# KiCad board rp2040-decoder.kicad_pcb (continued)
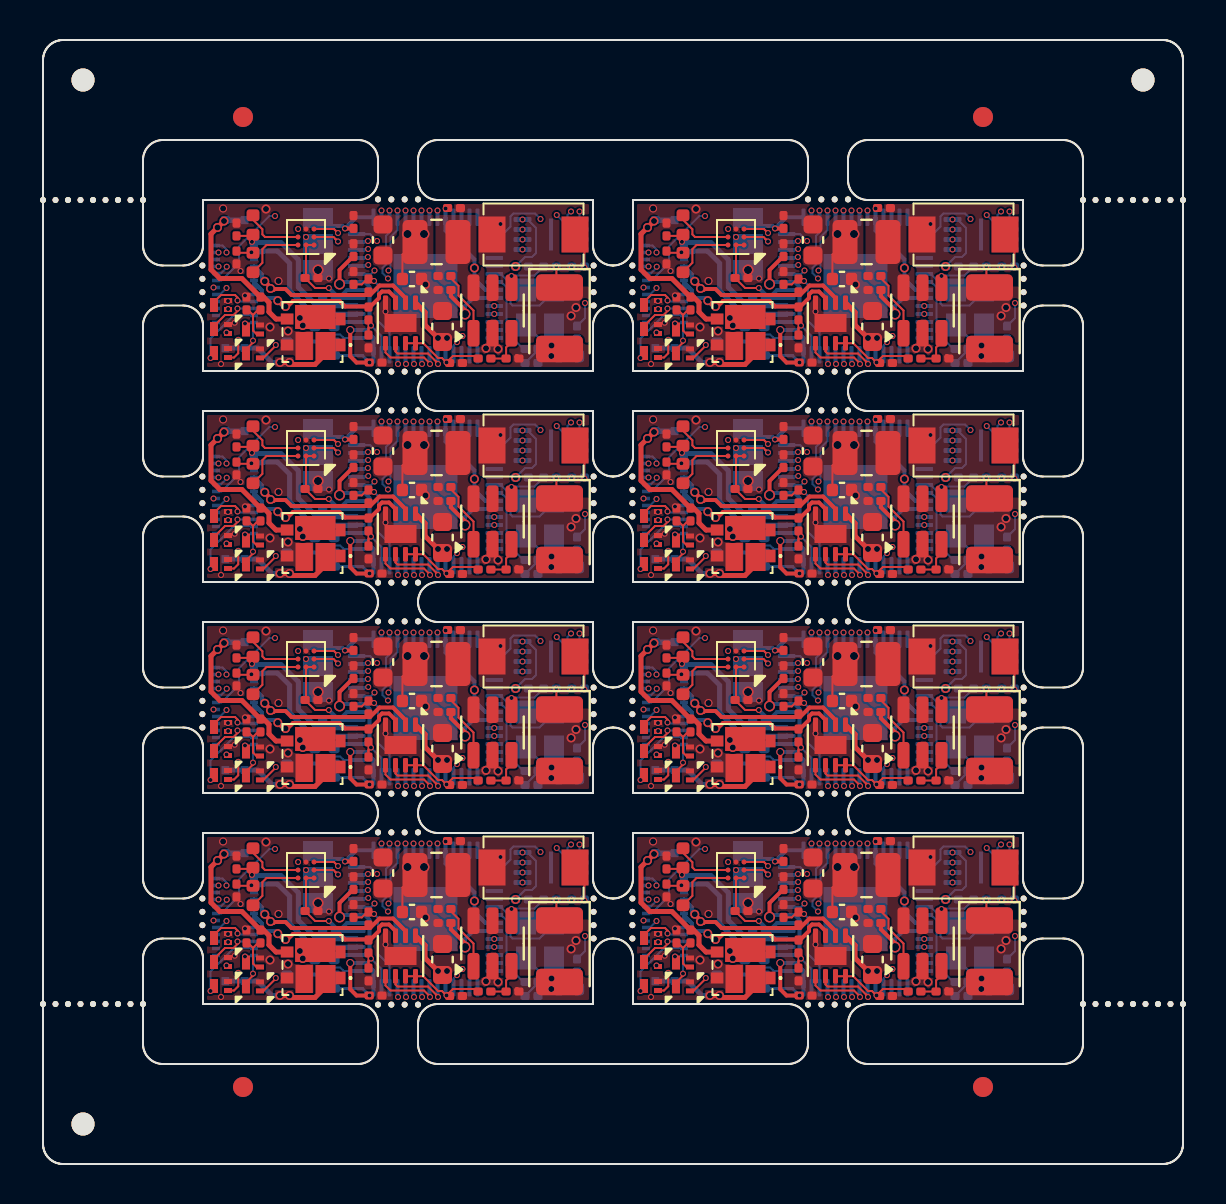
[diagram p0: board, top side]
## Nets (continued)
Board_3-GND: C1#3.2 C2#5.2 C3#6.2 C4#4.2 C5.2 C7#5.2 C8#4.2 C9#7.2 C10#5.2 C11#5.2 C12#6.2 C13#2.2 C14#3.2 C16#8.2 C17#4.2 C18#6.2 C19#4.2 C20#7.2 C21.2 C22#8.2 D1#4.4 D2#6.1 J4#3.3 J4#3.22 JP1#3.1 Q1#3.2 Q2#4.2 Q3#6.2 Q5#6.2 Q6#6.2 R2#3.1 R7#5.1 R12.1 R14#8.1 SW1#7.1 U1.4 U1.9 U2#2.2 U3#8.19 U3#8.57 U4#3.4 U4#3.9 U5#5.C2 Y1.2 Y1.4
Board_3-Net-(C3-Pad1): C3#6.1 R6#4.2 Y1.1
Board_3-Net-(D2-A): D2#6.2 R9#3.1
Board_3-Net-(JP1-C): JP1#3.2 U5#5.B2
Board_3-Net-(Q1-G): Q1#3.1 R1#2.1 R2#3.2
Board_3-Net-(R4-Pad2): R4#2.2 SW1#7.2
Board_3-Net-(U1-CLK): U1.6 U3#8.52
Board_3-Net-(U1-DI(IO0)): U1.5 U3#8.53
Board_3-Net-(U1-DO(IO1)): U1.2 U3#8.55
Board_3-Net-(U1-IO2): U1.3 U3#8.54
Board_3-Net-(U1-IO3): U1.7 U3#8.51
Board_3-Net-(U1-~{CS}): R4#2.1 U1.1 U3#8.56
Board_3-Net-(U2-BS): C6#3.1 U2#2.1
Board_3-Net-(U2-EN): R5#3.2 U2#2.4
Board_3-Net-(U2-FB): R7#5.2 R8#4.2 U2#2.3
Board_3-Net-(U3-ADC_AVDD): C14#3.1 R10#2.2 U3#8.43
Board_3-Net-(U3-GPIO12): R9#3.2 U3#8.15
Board_3-Net-(U3-XIN): C1#3.1 U3#8.20 Y1.3
Board_3-Net-(U3-XOUT): R6#4.1 U3#8.21
Board_3-Net-(U5-OUTN): FB2#3.2 U5#5.B3
Board_3-Net-(U5-OUTP): FB1.2 U5#5.A3
Board_3-unconnected-(U3-GPIO8-Pad11): U3#8.11
Board_3-unconnected-(U3-GPIO9-Pad12): U3#8.12
Board_3-unconnected-(U3-GPIO10-Pad13): U3#8.13
Board_3-unconnected-(U3-GPIO11-Pad14): U3#8.14
Board_3-unconnected-(U3-GPIO13-Pad16): U3#8.16
Board_3-unconnected-(U3-GPIO14-Pad17): U3#8.17
Board_3-unconnected-(U3-GPIO15-Pad18): U3#8.18
Board_3-unconnected-(U3-GPIO16-Pad27): U3#8.27
Board_3-unconnected-(U3-GPIO17-Pad28): U3#8.28
Board_3-unconnected-(U3-GPIO18-Pad29): U3#8.29
Board_3-unconnected-(U3-GPIO19-Pad30): U3#8.30
Board_3-unconnected-(U3-GPIO20-Pad31): U3#8.31
Board_3-unconnected-(U3-RUN-Pad26): U3#8.26
Board_3-VDC: C4#4.1 C18#6.1 D1#4.2 J4#3.17 R5#3.1 U2#2.5 U4#3.1
Board_4-+1V1: C5#2.1 C7#7.1 C8#2.1 U3#7.23 U3#7.45 U3#7.50
Board_4-+3.3V: C2#3.1 C9#4.1 C10.1 C11#3.1 C12#4.1 C13.1 C16#3.1 C17#2.1 C19.1 C21#7.1 J4.18 JP1#2.3 L1#8.2 R8#8.1 R10.1 U1#2.8 U3#7.1 U3#7.10 U3#7.22 U3#7.33 U3#7.42 U3#7.44 U3#7.48 U3#7.49 U4#2.7 U4#2.8 U5#6.A1 U5#6.A2
Board_4-/ADC_EMF_A: R11.1 R12#3.2 U3#7.41
Board_4-/ADC_EMF_B: R13#3.1 R14#7.2 U3#7.40
Board_4-/AUX1 (VDC): J4.11 Q2.3
Board_4-/AUX2 (VDC): J4.12 Q5#3.3
Board_4-/AUX3: J4.21 U3#7.5
Board_4-/AUX4: J4.20 U3#7.6
Board_4-/AUX5 (VDC): J4.16
Board_4-/AUX6 (VDC): J4.15
Board_4-/AUX7 (VDC): J4.14
Board_4-/AUX8 (VDC): J4.13
Board_4-/AUX10: J4.19 U3#7.2
Board_4-/AUX11: J4.23 U3#7.3 U3#7.25
Board_4-/AUX12: J4.24 U3#7.4 U3#7.24
Board_4-/CAP+: J4.8
Board_4-/GPIO21: Q1#7.3 U3#7.32
Board_4-/GPIO22: U3#7.34 U4#2.6
Board_4-/GPIO23: U3#7.35 U4#2.5
Board_4-/GPIO24: Q2.1 U3#7.36
Board_4-/GPIO25: Q5#3.1 U3#7.37
Board_4-/GPIO26: Q3#3.1 U3#7.38
Board_4-/GPIO27: Q6#7.1 U3#7.39
Board_4-/I2S_BCLK: U3#7.8 U5#6.C1
Board_4-/I2S_DIN: U3#7.9 U5#6.B1
Board_4-/I2S_LRCLK: U3#7.7 U5#6.C3
Board_4-/LAMP_FRONT: J4.9 Q3#3.3
Board_4-/LAMP_REAR: J4.10 Q6#7.3
Board_4-/MOTOR_A: J4.6 J4.7 R11.2 U4#2.3
Board_4-/MOTOR_B: J4.4 J4.5 R13#3.2 U4#2.2
Board_4-/SPEAKER_N: C20#2.1 FB2#2.1 J4.1 U3#7.47
Board_4-/SPEAKER_P: C22#7.1 FB1#6.1 J4.2 U3#7.46
Board_4-/SWITCH: C6#4.2 L1#8.1 U2#6.6
Board_4-/TRACK_LEFT: D1.3 J4.X1A J4.X1B R1#4.2
Board_4-/TRACK_RIGHT: D1.1 J4.X2A J4.X2B
Board_4-GND: C1#4.2 C2#3.2 C3#8.2 C4#6.2 C5#2.2 C7#7.2 C8#2.2 C9#4.2 C10.2 C11#3.2 C12#4.2 C13.2 C14#7.2 C16#3.2 C17#2.2 C18#5.2 C19.2 C20#2.2 C21#7.2 C22#7.2 D1.4 D2#3.1 J4.3 J4.22 JP1#2.1 Q1#7.2 Q2.2 Q3#3.2 Q5#3.2 Q6#7.2 R2#6.1 R7#6.1 R12#3.1 R14#7.1 SW1#3.1 U1#2.4 U1#2.9 U2#6.2 U3#7.19 U3#7.57 U4#2.4 U4#2.9 U5#6.C2 Y1#3.2 Y1#3.4
Board_4-Net-(C3-Pad1): C3#8.1 R6#7.2 Y1#3.1
Board_4-Net-(D2-A): D2#3.2 R9#6.1
Board_4-Net-(JP1-C): JP1#2.2 U5#6.B2
Board_4-Net-(Q1-G): Q1#7.1 R1#4.1 R2#6.2
Board_4-Net-(R4-Pad2): R4#4.2 SW1#3.2
Board_4-Net-(U1-CLK): U1#2.6 U3#7.52
Board_4-Net-(U1-DI(IO0)): U1#2.5 U3#7.53
Board_4-Net-(U1-DO(IO1)): U1#2.2 U3#7.55
Board_4-Net-(U1-IO2): U1#2.3 U3#7.54
Board_4-Net-(U1-IO3): U1#2.7 U3#7.51
Board_4-Net-(U1-~{CS}): R4#4.1 U1#2.1 U3#7.56
Board_4-Net-(U2-BS): C6#4.1 U2#6.1
Board_4-Net-(U2-EN): R5#8.2 U2#6.4
Board_4-Net-(U2-FB): R7#6.2 R8#8.2 U2#6.3
Board_4-Net-(U3-ADC_AVDD): C14#7.1 R10.2 U3#7.43
Board_4-Net-(U3-GPIO12): R9#6.2 U3#7.15
Board_4-Net-(U3-XIN): C1#4.1 U3#7.20 Y1#3.3
Board_4-Net-(U3-XOUT): R6#7.1 U3#7.21
Board_4-Net-(U5-OUTN): FB2#2.2 U5#6.B3
Board_4-Net-(U5-OUTP): FB1#6.2 U5#6.A3
Board_4-unconnected-(U3-GPIO8-Pad11): U3#7.11
Board_4-unconnected-(U3-GPIO9-Pad12): U3#7.12
Board_4-unconnected-(U3-GPIO10-Pad13): U3#7.13
Board_4-unconnected-(U3-GPIO11-Pad14): U3#7.14
Board_4-unconnected-(U3-GPIO13-Pad16): U3#7.16
Board_4-unconnected-(U3-GPIO14-Pad17): U3#7.17
Board_4-unconnected-(U3-GPIO15-Pad18): U3#7.18
Board_4-unconnected-(U3-GPIO16-Pad27): U3#7.27
Board_4-unconnected-(U3-GPIO17-Pad28): U3#7.28
Board_4-unconnected-(U3-GPIO18-Pad29): U3#7.29
Board_4-unconnected-(U3-GPIO19-Pad30): U3#7.30
Board_4-unconnected-(U3-GPIO20-Pad31): U3#7.31
Board_4-unconnected-(U3-RUN-Pad26): U3#7.26
Board_4-VDC: C4#6.1 C18#5.1 D1.2 J4.17 R5#8.1 U2#6.5 U4#2.1
Board_5-+1V1: C5#6.1 C7.1 C8#3.1 U3#6.23 U3#6.45 U3#6.50
Board_5-+3.3V: C2#4.1 C9#5.1 C10#3.1 C11.1 C12.1 C13#8.1 C16.1 C17#5.1 C19#7.1 C21#8.1 J4#2.18 JP1#5.3 L1#3.2 R8.1 R10#8.1 U1#8.8 U3#6.1 U3#6.10 U3#6.22 U3#6.33 U3#6.42 U3#6.44 U3#6.48 U3#6.49 U4#7.7 U4#7.8 U5#7.A1 U5#7.A2
Board_5-/ADC_EMF_A: R11#6.1 R12#5.2 U3#6.41
Board_5-/ADC_EMF_B: R13#8.1 R14#2.2 U3#6.40
Board_5-/AUX1 (VDC): J4#2.11 Q2#3.3
Board_5-/AUX2 (VDC): J4#2.12 Q5.3
Board_5-/AUX3: J4#2.21 U3#6.5
Board_5-/AUX4: J4#2.20 U3#6.6
Board_5-/AUX5 (VDC): J4#2.16
Board_5-/AUX6 (VDC): J4#2.15
Board_5-/AUX7 (VDC): J4#2.14
Board_5-/AUX8 (VDC): J4#2.13
Board_5-/AUX10: J4#2.19 U3#6.2
Board_5-/AUX11: J4#2.23 U3#6.3 U3#6.25
Board_5-/AUX12: J4#2.24 U3#6.4 U3#6.24
Board_5-/CAP+: J4#2.8
Board_5-/GPIO21: Q1#6.3 U3#6.32
Board_5-/GPIO22: U3#6.34 U4#7.6
Board_5-/GPIO23: U3#6.35 U4#7.5
Board_5-/GPIO24: Q2#3.1 U3#6.36
Board_5-/GPIO25: Q5.1 U3#6.37
Board_5-/GPIO26: Q3#2.1 U3#6.38
Board_5-/GPIO27: Q6#2.1 U3#6.39
Board_5-/I2S_BCLK: U3#6.8 U5#7.C1
Board_5-/I2S_DIN: U3#6.9 U5#7.B1
Board_5-/I2S_LRCLK: U3#6.7 U5#7.C3
Board_5-/LAMP_FRONT: J4#2.9 Q3#2.3
Board_5-/LAMP_REAR: J4#2.10 Q6#2.3
Board_5-/MOTOR_A: J4#2.6 J4#2.7 R11#6.2 U4#7.3
Board_5-/MOTOR_B: J4#2.4 J4#2.5 R13#8.2 U4#7.2
Board_5-/SPEAKER_N: C20#6.1 FB2.1 J4#2.1 U3#6.47
Board_5-/SPEAKER_P: C22#6.1 FB1#5.1 J4#2.2 U3#6.46
Board_5-/SWITCH: C6.2 L1#3.1 U2#4.6
Board_5-/TRACK_LEFT: D1#8.3 J4#2.X1A J4#2.X1B R1#3.2
Board_5-/TRACK_RIGHT: D1#8.1 J4#2.X2A J4#2.X2B
Board_5-GND: C1#6.2 C2#4.2 C3#7.2 C4#2.2 C5#6.2 C7.2 C8#3.2 C9#5.2 C10#3.2 C11.2 C12.2 C13#8.2 C14#4.2 C16.2 C17#5.2 C18#3.2 C19#7.2 C20#6.2 C21#8.2 C22#6.2 D1#8.4 D2#4.1 J4#2.3 J4#2.22 JP1#5.1 Q1#6.2 Q2#3.2 Q3#2.2 Q5.2 Q6#2.2 R2#8.1 R7#2.1 R12#5.1 R14#2.1 SW1#8.1 U1#8.4 U1#8.9 U2#4.2 U3#6.19 U3#6.57 U4#7.4 U4#7.9 U5#7.C2 Y1#8.2 Y1#8.4
Board_5-Net-(C3-Pad1): C3#7.1 R6#8.2 Y1#8.1
Board_5-Net-(D2-A): D2#4.2 R9.1
Board_5-Net-(JP1-C): JP1#5.2 U5#7.B2
Board_5-Net-(Q1-G): Q1#6.1 R1#3.1 R2#8.2
Board_5-Net-(R4-Pad2): R4#6.2 SW1#8.2
Board_5-Net-(U1-CLK): U1#8.6 U3#6.52
Board_5-Net-(U1-DI(IO0)): U1#8.5 U3#6.53
Board_5-Net-(U1-DO(IO1)): U1#8.2 U3#6.55
Board_5-Net-(U1-IO2): U1#8.3 U3#6.54
Board_5-Net-(U1-IO3): U1#8.7 U3#6.51
Board_5-Net-(U1-~{CS}): R4#6.1 U1#8.1 U3#6.56
Board_5-Net-(U2-BS): C6.1 U2#4.1
Board_5-Net-(U2-EN): R5#7.2 U2#4.4
Board_5-Net-(U2-FB): R7#2.2 R8.2 U2#4.3
Board_5-Net-(U3-ADC_AVDD): C14#4.1 R10#8.2 U3#6.43
Board_5-Net-(U3-GPIO12): R9.2 U3#6.15
Board_5-Net-(U3-XIN): C1#6.1 U3#6.20 Y1#8.3
Board_5-Net-(U3-XOUT): R6#8.1 U3#6.21
Board_5-Net-(U5-OUTN): FB2.2 U5#7.B3
Board_5-Net-(U5-OUTP): FB1#5.2 U5#7.A3
Board_5-unconnected-(U3-GPIO8-Pad11): U3#6.11
Board_5-unconnected-(U3-GPIO9-Pad12): U3#6.12
Board_5-unconnected-(U3-GPIO10-Pad13): U3#6.13
Board_5-unconnected-(U3-GPIO11-Pad14): U3#6.14
Board_5-unconnected-(U3-GPIO13-Pad16): U3#6.16
Board_5-unconnected-(U3-GPIO14-Pad17): U3#6.17
Board_5-unconnected-(U3-GPIO15-Pad18): U3#6.18
Board_5-unconnected-(U3-GPIO16-Pad27): U3#6.27
Board_5-unconnected-(U3-GPIO17-Pad28): U3#6.28
Board_5-unconnected-(U3-GPIO18-Pad29): U3#6.29
Board_5-unconnected-(U3-GPIO19-Pad30): U3#6.30
Board_5-unconnected-(U3-GPIO20-Pad31): U3#6.31
Board_5-unconnected-(U3-RUN-Pad26): U3#6.26
Board_5-VDC: C4#2.1 C18#3.1 D1#8.2 J4#2.17 R5#7.1 U2#4.5 U4#7.1
Board_6-+1V1: C5#8.1 C7#4.1 C8#6.1 U3#5.23 U3#5.45 U3#5.50
Board_6-+3.3V: C2#7.1 C9#6.1 C10#7.1 C11#4.1 C12#7.1 C13#3.1 C16#4.1 C17#3.1 C19#2.1 C21#4.1 J4#8.18 JP1#6.3 L1#6.2 R8#7.1 R10#3.1 U1#7.8 U3#5.1 U3#5.10 U3#5.22 U3#5.33 U3#5.42 U3#5.44 U3#5.48 U3#5.49 U4#6.7 U4#6.8 U5.A1 U5.A2
Board_6-/ADC_EMF_A: R11#3.1 R12#2.2 U3#5.41
Board_6-/ADC_EMF_B: R13#6.1 R14#6.2 U3#5.40
Board_6-/AUX1 (VDC): J4#8.11 Q2#8.3
Board_6-/AUX2 (VDC): J4#8.12 Q5#2.3
Board_6-/AUX3: J4#8.21 U3#5.5
Board_6-/AUX4: J4#8.20 U3#5.6
Board_6-/AUX5 (VDC): J4#8.16
Board_6-/AUX6 (VDC): J4#8.15
Board_6-/AUX7 (VDC): J4#8.14
Board_6-/AUX8 (VDC): J4#8.13
Board_6-/AUX10: J4#8.19 U3#5.2
Board_6-/AUX11: J4#8.23 U3#5.3 U3#5.25
Board_6-/AUX12: J4#8.24 U3#5.4 U3#5.24
Board_6-/CAP+: J4#8.8
Board_6-/GPIO21: Q1#4.3 U3#5.32
Board_6-/GPIO22: U3#5.34 U4#6.6
Board_6-/GPIO23: U3#5.35 U4#6.5
Board_6-/GPIO24: Q2#8.1 U3#5.36
Board_6-/GPIO25: Q5#2.1 U3#5.37
Board_6-/GPIO26: Q3#7.1 U3#5.38
Board_6-/GPIO27: Q6#4.1 U3#5.39
Board_6-/I2S_BCLK: U3#5.8 U5.C1
Board_6-/I2S_DIN: U3#5.9 U5.B1
Board_6-/I2S_LRCLK: U3#5.7 U5.C3
Board_6-/LAMP_FRONT: J4#8.9 Q3#7.3
Board_6-/LAMP_REAR: J4#8.10 Q6#4.3
Board_6-/MOTOR_A: J4#8.6 J4#8.7 R11#3.2 U4#6.3
Board_6-/MOTOR_B: J4#8.4 J4#8.5 R13#6.2 U4#6.2
Board_6-/SPEAKER_N: C20#4.1 FB2#7.1 J4#8.1 U3#5.47
Board_6-/SPEAKER_P: C22#4.1 FB1#8.1 J4#8.2 U3#5.46
Board_6-/SWITCH: C6#2.2 L1#6.1 U2#3.6
Board_6-/TRACK_LEFT: D1#2.3 J4#8.X1A J4#8.X1B R1#6.2
Board_6-/TRACK_RIGHT: D1#2.1 J4#8.X2A J4#8.X2B
Board_6-GND: C1.2 C2#7.2 C3#3.2 C4#7.2 C5#8.2 C7#4.2 C8#6.2 C9#6.2 C10#7.2 C11#4.2 C12#7.2 C13#3.2 C14#6.2 C16#4.2 C17#3.2 C18#7.2 C19#2.2 C20#4.2 C21#4.2 C22#4.2 D1#2.4 D2#8.1 J4#8.3 J4#8.22 JP1#6.1 Q1#4.2 Q2#8.2 Q3#7.2 Q5#2.2 Q6#4.2 R2.1 R7#4.1 R12#2.1 R14#6.1 SW1#2.1 U1#7.4 U1#7.9 U2#3.2 U3#5.19 U3#5.57 U4#6.4 U4#6.9 U5.C2 Y1#6.2 Y1#6.4
Board_6-Net-(C3-Pad1): C3#3.1 R6#6.2 Y1#6.1
Board_6-Net-(D2-A): D2#8.2 R9#8.1
Board_6-Net-(JP1-C): JP1#6.2 U5.B2
Board_6-Net-(Q1-G): Q1#4.1 R1#6.1 R2.2
Board_6-Net-(R4-Pad2): R4#3.2 SW1#2.2
Board_6-Net-(U1-CLK): U1#7.6 U3#5.52
Board_6-Net-(U1-DI(IO0)): U1#7.5 U3#5.53
Board_6-Net-(U1-DO(IO1)): U1#7.2 U3#5.55
Board_6-Net-(U1-IO2): U1#7.3 U3#5.54
Board_6-Net-(U1-IO3): U1#7.7 U3#5.51
Board_6-Net-(U1-~{CS}): R4#3.1 U1#7.1 U3#5.56
Board_6-Net-(U2-BS): C6#2.1 U2#3.1
Board_6-Net-(U2-EN): R5#6.2 U2#3.4
Board_6-Net-(U2-FB): R7#4.2 R8#7.2 U2#3.3
Board_6-Net-(U3-ADC_AVDD): C14#6.1 R10#3.2 U3#5.43
Board_6-Net-(U3-GPIO12): R9#8.2 U3#5.15
Board_6-Net-(U3-XIN): C1.1 U3#5.20 Y1#6.3
Board_6-Net-(U3-XOUT): R6#6.1 U3#5.21
Board_6-Net-(U5-OUTN): FB2#7.2 U5.B3
Board_6-Net-(U5-OUTP): FB1#8.2 U5.A3
Board_6-unconnected-(U3-GPIO8-Pad11): U3#5.11
Board_6-unconnected-(U3-GPIO9-Pad12): U3#5.12
Board_6-unconnected-(U3-GPIO10-Pad13): U3#5.13
Board_6-unconnected-(U3-GPIO11-Pad14): U3#5.14
Board_6-unconnected-(U3-GPIO13-Pad16): U3#5.16
Board_6-unconnected-(U3-GPIO14-Pad17): U3#5.17
Board_6-unconnected-(U3-GPIO15-Pad18): U3#5.18
Board_6-unconnected-(U3-GPIO16-Pad27): U3#5.27
Board_6-unconnected-(U3-GPIO17-Pad28): U3#5.28
Board_6-unconnected-(U3-GPIO18-Pad29): U3#5.29
Board_6-unconnected-(U3-GPIO19-Pad30): U3#5.30
Board_6-unconnected-(U3-GPIO20-Pad31): U3#5.31
Board_6-unconnected-(U3-RUN-Pad26): U3#5.26
Board_6-VDC: C4#7.1 C18#7.1 D1#2.2 J4#8.17 R5#6.1 U2#3.5 U4#6.1
Board_7-+1V1: C5#5.1 C7#2.1 C8#5.1 U3.23 U3.45 U3.50
Board_7-+3.3V: C2#8.1 C9.1 C10#8.1 C11#2.1 C12#2.1 C13#5.1 C16#6.1 C17#6.1 C19#3.1 C21#3.1 J4#4.18 JP1#8.3 L1#5.2 R8#3.1 R10#6.1 U1#3.8 U3.1 U3.10 U3.22 U3.33 U3.42 U3.44 U3.48 U3.49 U4#8.7 U4#8.8 U5#3.A1 U5#3.A2
Board_7-/ADC_EMF_A: R11#4.1 R12#7.2 U3.41
Board_7-/ADC_EMF_B: R13.1 R14.2 U3.40
Board_7-/AUX1 (VDC): J4#4.11 Q2#6.3
Board_7-/AUX2 (VDC): J4#4.12 Q5#8.3
Board_7-/AUX3: J4#4.21 U3.5
Board_7-/AUX4: J4#4.20 U3.6
Board_7-/AUX5 (VDC): J4#4.16
Board_7-/AUX6 (VDC): J4#4.15
Board_7-/AUX7 (VDC): J4#4.14
Board_7-/AUX8 (VDC): J4#4.13
Board_7-/AUX10: J4#4.19 U3.2
Board_7-/AUX11: J4#4.23 U3.3 U3.25
Board_7-/AUX12: J4#4.24 U3.4 U3.24
Board_7-/CAP+: J4#4.8
Board_7-/GPIO21: Q1#2.3 U3.32
Board_7-/GPIO22: U3.34 U4#8.6
Board_7-/GPIO23: U3.35 U4#8.5
Board_7-/GPIO24: Q2#6.1 U3.36
Board_7-/GPIO25: Q5#8.1 U3.37
Board_7-/GPIO26: Q3#4.1 U3.38
Board_7-/GPIO27: Q6.1 U3.39
Board_7-/I2S_BCLK: U3.8 U5#3.C1
Board_7-/I2S_DIN: U3.9 U5#3.B1
Board_7-/I2S_LRCLK: U3.7 U5#3.C3
Board_7-/LAMP_FRONT: J4#4.9 Q3#4.3
Board_7-/LAMP_REAR: J4#4.10 Q6.3
Board_7-/MOTOR_A: J4#4.6 J4#4.7 R11#4.2 U4#8.3
Board_7-/MOTOR_B: J4#4.4 J4#4.5 R13.2 U4#8.2
Board_7-/SPEAKER_N: C20#8.1 FB2#5.1 J4#4.1 U3.47
Board_7-/SPEAKER_P: C22#2.1 FB1#7.1 J4#4.2 U3.46
Board_7-/SWITCH: C6#6.2 L1#5.1 U2#8.6
Board_7-/TRACK_LEFT: D1#6.3 J4#4.X1A J4#4.X1B R1#7.2
Board_7-/TRACK_RIGHT: D1#6.1 J4#4.X2A J4#4.X2B
Board_7-GND: C1#5.2 C2#8.2 C3#4.2 C4#3.2 C5#5.2 C7#2.2 C8#5.2 C9.2 C10#8.2 C11#2.2 C12#2.2 C13#5.2 C14#8.2 C16#6.2 C17#6.2 C18.2 C19#3.2 C20#8.2 C21#3.2 C22#2.2 D1#6.4 D2#7.1 J4#4.3 J4#4.22 JP1#8.1 Q1#2.2 Q2#6.2 Q3#4.2 Q5#8.2 Q6.2 R2#4.1 R7#8.1 R12#7.1 R14.1 SW1#4.1 U1#3.4 U1#3.9 U2#8.2 U3.19 U3.57 U4#8.4 U4#8.9 U5#3.C2 Y1#5.2 Y1#5.4
Board_7-Net-(C3-Pad1): C3#4.1 R6#5.2 Y1#5.1
Board_7-Net-(D2-A): D2#7.2 R9#5.1
Board_7-Net-(JP1-C): JP1#8.2 U5#3.B2
Board_7-Net-(Q1-G): Q1#2.1 R1#7.1 R2#4.2
Board_7-Net-(R4-Pad2): R4#5.2 SW1#4.2
Board_7-Net-(U1-CLK): U1#3.6 U3.52
Board_7-Net-(U1-DI(IO0)): U1#3.5 U3.53
Board_7-Net-(U1-DO(IO1)): U1#3.2 U3.55
Board_7-Net-(U1-IO2): U1#3.3 U3.54
Board_7-Net-(U1-IO3): U1#3.7 U3.51
Board_7-Net-(U1-~{CS}): R4#5.1 U1#3.1 U3.56
Board_7-Net-(U2-BS): C6#6.1 U2#8.1
Board_7-Net-(U2-EN): R5#2.2 U2#8.4
Board_7-Net-(U2-FB): R7#8.2 R8#3.2 U2#8.3
Board_7-Net-(U3-ADC_AVDD): C14#8.1 R10#6.2 U3.43
Board_7-Net-(U3-GPIO12): R9#5.2 U3.15
Board_7-Net-(U3-XIN): C1#5.1 U3.20 Y1#5.3
Board_7-Net-(U3-XOUT): R6#5.1 U3.21
Board_7-Net-(U5-OUTN): FB2#5.2 U5#3.B3
Board_7-Net-(U5-OUTP): FB1#7.2 U5#3.A3
Board_7-unconnected-(U3-GPIO8-Pad11): U3.11
Board_7-unconnected-(U3-GPIO9-Pad12): U3.12
Board_7-unconnected-(U3-GPIO10-Pad13): U3.13
Board_7-unconnected-(U3-GPIO11-Pad14): U3.14
Board_7-unconnected-(U3-GPIO13-Pad16): U3.16
Board_7-unconnected-(U3-GPIO14-Pad17): U3.17
Board_7-unconnected-(U3-GPIO15-Pad18): U3.18
Board_7-unconnected-(U3-GPIO16-Pad27): U3.27
Board_7-unconnected-(U3-GPIO17-Pad28): U3.28
Board_7-unconnected-(U3-GPIO18-Pad29): U3.29
Board_7-unconnected-(U3-GPIO19-Pad30): U3.30
Board_7-unconnected-(U3-GPIO20-Pad31): U3.31
Board_7-unconnected-(U3-RUN-Pad26): U3.26
Board_7-VDC: C4#3.1 C18.1 D1#6.2 J4#4.17 R5#2.1 U2#8.5 U4#8.1

## Via types
v1: diameter 0.55, hole 0.4, Top to Bottom, 40 vias
v2: diameter 0.4, hole 0.3, Top to Bottom, 24 vias
v3: diameter 0.3, hole 0.2, Top to Bottom, 608 vias
v4: diameter 0.45, hole 0.3, Top to Bottom, 192 vias

## Routing (per net, layer and track width the routed paths; a pad name or vN(x,y) marks a point on that pad's centre or on a via; arc(x,y) is an arc through that point)
Board_0-+1V1: length 17.4
  Top w0.2: 15.59,45.45 15.57,45.45 14.83,44.7 v1(14.83,44) ; 20.4,43.7 20.4,43.39 21.1,42.68 v1(21.1,42.5)
  In2.Cu w0.4: v1(14.83,44) 15.38,43.45 20.3,43.45 21.1,42.65 v1(21.1,42.5)
  Bottom w0.2: U3#4.23 21.5,43.3 21.1,42.9 v1(21.1,42.5) ; 14.56,41.95 14.71,42.1 U3#4.45 16.08,42.1 16.32,42.35 16.32,43.85 16.08,44.1 U3#4.50 14.93,44.1 v1(14.83,44)
Board_0-+3.3V: length 42.9
  Top w0.1: U4#5.7 19.02,41.04 19.76,40.3 19.95,40.3 20.17,40.08 v3(20.18,40.08) 20.5,40.4 21.63,40.4 R8#2.1 ; L1#7.2 17.97,45.47 C10#4.1 ; U5#2.A1 U5#2.A2 13.15,44.34 13.1,44.3 13.6,43.8 v3(14.29,43.8) ; v3(16.32,40.08) C13#7.1 ; v3(20.98,41.4) 21,41.38
  Top w0.2: C17#8.1 15.52,46.78 v3(15.1,46.78) ; v2(15.36,41.7) 15.36,40.39 15.68,40.08 C13#7.1
  In1.Cu w0.2: v3(14.29,43.8) 14.29,42.77 v2(15.36,41.7)
  In1.Cu w0.25: 19.93,40.38 16.62,40.38 v3(16.32,40.08) ; 19.93,40.38 20.18,40.12 v3(20.18,40.08) ; 19.93,40.38 20.51,40.38 21.07,40.94 21.07,41.3 v3(20.98,41.4)
  In2.Cu w0.1: v4(23.63,44.88) 23.56,44.8 v4(21.57,44.8)
  Bottom w0.1: v4(23.63,44.88) 24.1,45.35 24.45,45.35 24.65,45.55 24.65,46.8 24.23,47.23 v3(23.97,47.23)
  Bottom w0.15: R10#5.1 C11#8.1 15.97,40.43 16.16,40.24 ; 16.16,40.24 v3(16.32,40.08) ; 16.16,40.24 16.25,40.15 16.47,40.15
  Bottom w0.2: U3#4.1 15.66,47.34 v3(15.1,46.78) 14.98,46.9 14.15,46.9 JP1#7.3 13.93,47.12 ; U3#4.42 16.53,41.3 16.12,41.7 U3#4.44 ; 15.58,43.3 14.8,43.3 ; 14.8,43.3 14.75,43.35 C12#5.1 14.62,43.47 v3(14.29,43.8) ; 14.8,43.3 15.2,43.7 U3#4.49 ; 14,47.33 14.32,47.65 ; U3#4.10 20.12,46.68 21.57,45.23 v4(21.57,44.8) 21.57,44.25 22.12,43.7 U3#4.22
  vias: v1(18.22,46.5) v1(19.05,46.5) v3(8.53,43.83) v3(20.13,47.78)
Board_0-/ADC_EMF_A: length 2.8
  Top w0.1: R11#5.1 R12#4.2 ; 16.28,41.62 16.28,41.8 v3(16.4,41.92)
  Bottom w0.1: U3#4.41 16.93,41.39 v3(16.4,41.92)
Board_0-/ADC_EMF_B: length 5.2
  Top w0.1: R14#5.2 15.94,43.98 16.28,44.31 16.39,44.31 v3(16.55,44.15)
  Bottom w0.1: U3#4.40 17.32,41.58 16.75,42.15 16.75,43.95 v3(16.55,44.15)
Board_0-/AUX1 (VDC): length 3.6
  Bottom w0.1: J4#6.11 10.53,42.45 9.55,42.45 8.38,41.28 v3(8.38,40.3)
Board_0-/AUX2 (VDC): length 1.7
  Top w0.1: v3(10.5,41.17) 10.5,41.08 10.15,40.72 Q5#4.3
  Bottom w0.1: v3(10.5,41.17) 10.5,41.66 10.55,41.71 J4#6.12
Board_0-/AUX3: length 11.3
  In2.Cu w0.1: v3(8.78,44.88) 9.07,45.17 9.42,45.17 9.57,45.33 9.57,46.15 10.12,46.7 11.89,46.7 12.47,47.28 16.33,47.28 16.68,46.93 17.41,46.93 18.12,47.65 v3(18.12,47.68)
Board_0-/AUX4: length 12
  In2.Cu w0.1: v3(9.19,44.86) 9.44,44.86 9.78,45.2 9.78,46.07 10.21,46.5 11.97,46.5 12.55,47.08 16.25,47.08 16.59,46.73 17.61,46.73 18.53,47.65 v3(18.53,47.68)
  Bottom w0.1: J4#6.20 8.89,44.53 9.19,44.82 v3(9.19,44.86)
Board_0-/AUX10: length 10.6
  In2.Cu w0.1: v3(11.6,47.4) 12.13,47.93 16.53,47.93 16.93,47.53 v3(16.93,47.68)
  Bottom w0.1: v3(11.6,47.4) 11.32,47.4 9.8,45.88 9.8,45.05 8.92,44.18 8.65,44.18
Board_0-/AUX11: length 19.7
  In2.Cu w0.1: v3(8.78,45.58) 8.78,45.92 9.96,47.1 11.73,47.1 12.3,47.68 16.5,47.68 16.84,47.33 17.01,47.33 17.22,47.55 17.22,47.75 17.33,47.65 v3(17.33,47.67) ; v3(22.56,42.5) 22.53,42.5 20.55,44.48 17.5,44.48 17.3,44.28 v3(17.25,44.28)
  Bottom w0.1: U3#4.3 17.32,46.58 17.15,46.41 17.15,44.97 16.97,44.8 16.97,44.55 v3(17.25,44.28)
Board_0-/AUX12: length 19.6
  In2.Cu w0.1: v3(17.73,47.68) 17.73,47.65 17.21,47.13 16.76,47.13 16.42,47.48 12.38,47.48 11.81,46.9 10.04,46.9 9.18,46.03 v3(9.18,45.58) ; v3(17.27,44.68) 20.63,44.68 22.41,42.9 v3(22.56,42.9)
  Bottom w0.1: U3#4.4 17.72,46.7 17.38,46.35 17.38,44.78 v3(17.27,44.68) ; v3(9.18,45.58) 9.18,45.72 8.97,45.93 J4#6.24
Board_0-/GPIO21: length 12.1
  In2.Cu w0.1: v3(10.1,42.03) 10.65,41.48 11.82,41.48 12.05,41.25 18.15,41.25 18.82,40.58 20.18,40.58 v3(20.7,41.09)
  Bottom w0.1: U3#4.32 20.53,40.92 v3(20.7,41.09)
Board_0-/GPIO22: length 2.9
  Top w0.1: U4#5.6 17.62,40.62 17.72,40.53 19.25,40.53 19.65,40.12 19.65,40.02 19.68,40 v3(19.75,40)
Board_0-/GPIO23: length 2.9
  Top w0.1: U4#5.5 17.12,40.58 17.38,40.33 19.05,40.33 19.35,40.02 v3(19.35,40)
Board_0-/GPIO24: length 11.5
  Top w0.1: v3(9.76,41.21) 9.76,40.54 9.55,40.33 Q2#5.1
  In2.Cu w0.1: v3(9.76,41.21) 9.76,41.19 10.28,40.68 10.93,40.68 11.5,41.25 11.76,41.25 11.96,41.05 17.92,41.05 18.95,40.02 v3(18.95,40)
Board_0-/GPIO25: length 8.4
  Top w0.1: Q5#4.1 11.02,40.3 11.64,40.92 v3(11.64,40.95)
  In2.Cu w0.1: v3(11.64,40.95) 11.74,40.85 17.72,40.85 18.55,40.02 v3(18.55,40)
Board_0-/GPIO26: length 11.4
  In2.Cu w0.1: v3(9.25,42.75) 9.25,41.88 9.3,41.88 9.47,41.7 9.47,41.45 9.38,41.35 9.38,40.73 9.63,40.48 11.44,40.48 11.61,40.65 17.52,40.65 18.15,40.02 v3(18.15,40)
Board_0-/GPIO27: length 9.9
  In2.Cu w0.1: v3(9.18,41.58) 9.18,40.65 9.55,40.28 11.52,40.28 11.69,40.45 17.3,40.45 v3(17.75,40)
Board_0-/I2S_BCLK: length 6.5
  Top w0.1: v3(14.75,46.55) 14.55,46.75 U5#2.C1
  In1.Cu w0.1: v3(19.32,47.68) 19.32,47.65 18.85,47.18 15.08,47.18 14.75,46.85 v3(14.75,46.55)
Board_0-/I2S_DIN: length 6.9
  Top w0.1: U5#2.B1 14.53,46.35 14.63,46.25 v3(14.75,46.12)
  In1.Cu w0.1: v3(14.75,46.12) 14.87,46.12 15.72,46.98 19.05,46.98 19.72,47.65 v3(19.72,47.68)
Board_0-/I2S_LRCLK: length 6.6
  In1.Cu w0.1: v3(18.93,47.68) 18.93,47.65 18.65,47.38 13.38,47.38 12.76,46.76 v3(12.76,46.75)
Board_0-/LAMP_FRONT: length 2.5
  Top w0.1: v3(9.73,43.17) 9.73,43.32 9.6,43.45 8.9,43.45 8.55,43.1 Q3#5.3
  Bottom w0.1: v3(9.73,43.17) 9.78,43.12 J4#6.9
Board_0-/LAMP_REAR: length 2.6
  Top w0.1: v3(9.72,42.78) 9.72,42.65 9.53,42.45 9.1,42.45 8.55,41.9 Q6#5.3
  Bottom w0.1: v3(9.72,42.78) 10.55,42.78
Board_0-/MOTOR_A: length 9.7
  Top w0.2: v4(11.74,43.17) 12.03,42.88 v4(12.12,42.88) 12.22,42.88 12.5,43.15 14.82,43.15 15.1,42.88 16.38,42.88 16.8,43.3 16.8,43.47 16.95,43.62 17.3,43.62 17.62,43.3 U4#5.3
  Bottom w0.2: v4(12.12,42.88) 12.03,42.88 v4(11.74,43.17) 11.61,43.3 11.1,43.3 10.95,43.45 10.95,43.68 10.55,44.08 10.55,44.18 J4#6.7 10.55,43.86
Board_0-/MOTOR_B: length 9.8
  Top w0.2: U4#5.2 18.12,43.3 17.5,43.93 16.82,43.93 16.35,43.45 12.43,43.45 12.12,43.75 11.57,43.75 11.53,43.7 v4(11.09,44.14)
  Bottom w0.2: J4#6.5 10.55,44.88 10.95,44.48 10.95,44.23 11.38,43.8 v4(11.38,43.78)
Board_0-/SPEAKER_N: length 9.1
  Top w0.1: 10.5,46.16 FB2#8.1 10.44,46.41 C20#5.1
  Bottom w0.25: 10.45,45.96 10.45,46.03 10.45,46.03 v3(10.45,46.1) ; v3(10.45,46.1) 10.48,46.07 11.91,46.07 12.76,45.21 12.76,43.84 13.69,42.92 15.67,42.92 U3#4.47 ; v3(10.45,46.1) 10.6,45.95 ; v3(10.45,46.1) 10.47,46.1 10.6,45.98
Board_0-/SPEAKER_P: length 8.4
  Top w0.1: C22.1 9.76,45.56 FB1#2.1 ; v3(10.42,45.58) 10.44,45.57 10.45,45.57
  Bottom w0.25: U3#4.46 15.67,42.48 13.51,42.48 12.34,43.66 12.34,45.04 11.73,45.64 10.97,45.64 10.97,45.61 10.76,45.61 10.75,45.6 10.46,45.6 10.45,45.61 10.45,45.61 v3(10.42,45.58) 10.46,45.55
Board_0-/TRACK_LEFT: length 9.9
  Top w0.25: 12.21,42.18 D1#7.3 11.65,42.25 11.3,42.6 11.3,43.08 11.03,43.35 R1#5.2 9.94,44.28 8.84,44.28 8.4,44.72 8.4,46.5 v4(9.05,47.15)
  Bottom w0.25: J4#6.X1B 9.13,47.2 10.08,47.2 9.09,47.2 v4(9.05,47.15)
  vias: v4(8.72,46.83)
Board_0-/TRACK_RIGHT: length 6
  Top w0.25: D1#7.1 14.12,40.5 13.6,39.98 12.42,39.98 v4(12.32,40.08) v4(11.85,40.08)
  Bottom w0.25: J4#6.X2B J4#6.X2A 10.73,40.8 11.45,40.08 v4(11.85,40.08)
Board_0-GND: length 0.9
  Top w0.2: Q3#5.2 v3(9.25,43.15)
  Top w0.25: R7.1 23.7,40.37 23.7,40.37 ; U2.2 22.47,41.11
  Top w0.4: v4(19.12,43.98) 18.93,44.17 C10#4.2
  vias: v1(13.75,44.7) v2(9,47.78) v2(11.78,44.15) v3(8.9,40) v3(9.59,42.06) v3(9.88,44.65) v3(10.1,43.43) v3(14.3,44.28) v3(17.12,42.62) v3(22.88,47) v4(11.15,47.75) v4(11.35,41.85) v4(12.25,41.65) v4(22.15,40.79) v4(22.75,40.75) v4(25.43,40.93) v4(25.41,40.4)
Board_0-Net-(C3-Pad1): length 2.4
  Bottom w0.1: 24.1,40.05 24.75,40.69 R6#3.2 24.75,41.36 Y1#7.1
Board_0-Net-(D2-A): length 0.9
  Bottom w0.1: D2#5.2 26.7,40.46 R9#4.1
Board_0-Net-(JP1-C): length 0.7
  Bottom w0.1: JP1#7.2 13.4,46.35 v3(13.15,46.35)
Board_0-Net-(Q1-G): length 2.1
  Top w0.1: R1#5.1 10.75,42.71 10.5,42.46 ; R2#7.2 10.25,42.71 10.5,42.46 ; Q1#5.1 10.68,41.5 10.5,41.68 10.5,42.46
Board_0-Net-(R4-Pad2): length 1.8
  Top w0.1: SW1.2 27.07,46.01 v3(27.07,44.83)
Board_0-Net-(U1-CLK): length 9.7
  In2.Cu w0.1: v3(23.97,46.23) 24.28,45.93 24.28,45.55 24.15,45.43 23.85,45.43 23.75,45.53 20.24,45.53 19.92,45.2 16.52,45.2 16.27,44.95 v3(16.26,44.95)
  Bottom w0.1: U3#4.52 16.21,44.9 v3(16.26,44.95)
Board_0-Net-(U1-DI(IO0)): length 8.5
  In2.Cu w0.1: v3(23.97,45.73) 20.16,45.73 19.83,45.4 16.3,45.4 v3(16.25,45.35)
  Bottom w0.1: v3(16.25,45.35) 16.2,45.3 U3#4.53
Board_0-Net-(U1-DO(IO1)): length 13.2
  In2.Cu w0.1: v3(16.25,46.15) 16.28,46.15 16.63,45.8 19.67,45.8 21.62,47.75 26.28,47.75 v3(26.4,47.62)